# Altium PCB 宠物机器人&导购机器人.PcbDoc (part 11 of 14)
Units mil, origin at the board's own origin, x right, y up, seen from the top; angles counter-clockwise.
Board outline 6899.61 x 2204.72 mil, 2 copper layers (Top Layer, Bottom Layer); 229 components, 218 nets, 23463 pads, 263 vias.
Unrouted connection lines stored in the file: 107.
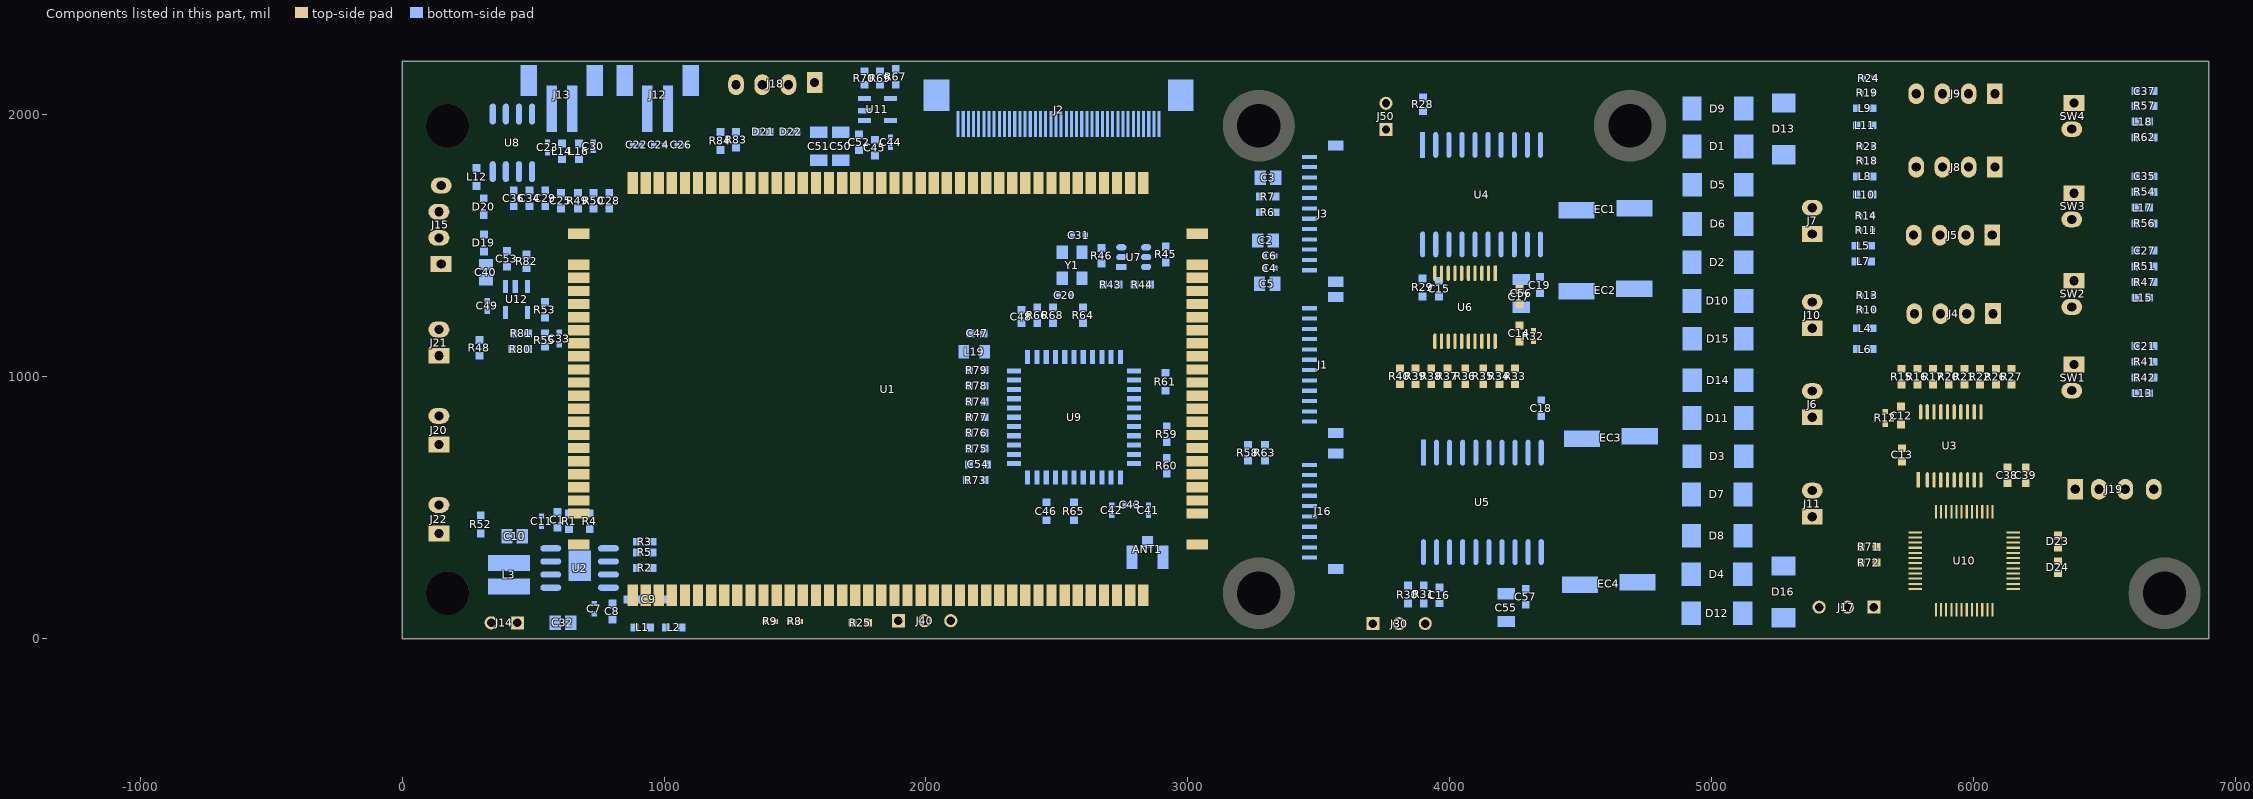
[diagram p11: the components of this part, seen from the top]

## Free pads (board coordinates) (continued)
  round 0.06 on Mech14: 1(-1218.32,-384.47) 1(-1218.32,-384.47) 1(-1218.32,-384.47) 1(-1218.32,-384.44) 1(-1218.32,-384.44) 1(-1218.32,-384.44) 1(-1218.32,-384.29) 1(-1218.32,-384.29) 1(-1218.32,-384.29) 1(-1218.32,-384.26) 1(-1218.32,-384.26) 1(-1218.32,-384.26) 1(-1218.18,-384.08) 1(-1218.18,-384.08) 1(-1218.18,-384.08) 1(-1218.18,-383.98) 1(-1218.18,-383.98) 1(-1218.18,-383.98) 1(-1218.18,-383.86) 1(-1218.18,-383.86) 1(-1218.18,-383.86) 1(-1218.18,-383.76) 1(-1218.18,-383.76) 1(-1218.18,-383.76)
  round 0.06 on Mech15: 1(-1218.32,-384.47) 1(-1218.32,-384.47) 1(-1218.32,-384.47) 1(-1218.32,-384.44) 1(-1218.32,-384.44) 1(-1218.32,-384.44) 1(-1218.32,-384.29) 1(-1218.32,-384.29) 1(-1218.32,-384.29) 1(-1218.32,-384.26) 1(-1218.32,-384.26) 1(-1218.32,-384.26) 1(-1218.18,-384.08) 1(-1218.18,-384.08) 1(-1218.18,-384.08) 1(-1218.18,-383.98) 1(-1218.18,-383.98) 1(-1218.18,-383.98) 1(-1218.18,-383.86) 1(-1218.18,-383.86) 1(-1218.18,-383.86) 1(-1218.18,-383.76) 1(-1218.18,-383.76) 1(-1218.18,-383.76)
  round 0.2 on Mech3: 1(-1218.3,-385.12) 1(-1218.3,-385.12) 1(-1218.3,-385.12) 1(-1218.3,-383.05) 1(-1218.3,-383.05) 1(-1218.3,-383.05) 1(-1215.51,-385.12) 1(-1215.51,-385.12) 1(-1215.51,-385.12) 1(-1215.51,-383.05) 1(-1215.51,-383.05) 1(-1215.51,-383.05)
  round 0.2 on Mech2: 1(-1218.3,-385.12) 1(-1218.3,-385.12) 1(-1218.3,-385.12) 1(-1218.3,-383.05) 1(-1218.3,-383.05) 1(-1218.3,-383.05) 1(-1215.51,-385.12) 1(-1215.51,-385.12) 1(-1215.51,-385.12) 1(-1215.51,-383.05) 1(-1215.51,-383.05) 1(-1215.51,-383.05)
  round 0.2 on Mech10: 1(-1218.3,-385.12) 1(-1218.3,-385.12) 1(-1218.3,-385.12) 1(-1218.3,-383.05) 1(-1218.3,-383.05) 1(-1218.3,-383.05) 1(-1215.51,-385.12) 1(-1215.51,-385.12) 1(-1215.51,-385.12) 1(-1215.51,-383.05) 1(-1215.51,-383.05) 1(-1215.51,-383.05)
  round 0.2 on Mech14: 1(-1218.3,-385.12) 1(-1218.3,-385.12) 1(-1218.3,-385.12) 1(-1218.3,-383.05) 1(-1218.3,-383.05) 1(-1218.3,-383.05) 1(-1215.51,-385.12) 1(-1215.51,-385.12) 1(-1215.51,-385.12) 1(-1215.51,-383.05) 1(-1215.51,-383.05) 1(-1215.51,-383.05)
  round 0.2 on Mech15: 1(-1218.3,-385.12) 1(-1218.3,-385.12) 1(-1218.3,-385.12) 1(-1218.3,-383.05) 1(-1218.3,-383.05) 1(-1218.3,-383.05) 1(-1215.51,-385.12) 1(-1215.51,-385.12) 1(-1215.51,-385.12) 1(-1215.51,-383.05) 1(-1215.51,-383.05) 1(-1215.51,-383.05)
  round 0 on Mech5: 1(-1218.27,-384.92) 1(-1218.27,-384.92) 1(-1218.27,-384.92) 1(-1218.27,-384.92) 1(-1218.27,-384.92) 1(-1218.27,-384.92) 1(-1218.27,-384.81) 1(-1218.27,-384.81) 1(-1218.27,-384.81) 1(-1218.27,-384.81) 1(-1218.27,-384.81) 1(-1218.27,-384.81) 1(-1218.25,-384.86) 1(-1218.25,-384.86) 1(-1218.25,-384.86) 1(-1218.23,-384.88) 1(-1218.23,-384.88) 1(-1218.23,-384.88) 1(-1218.23,-384.84) 1(-1218.23,-384.84) 1(-1218.23,-384.84) 1(-1218.21,-384.86) 1(-1218.21,-384.86) 1(-1218.21,-384.86) 1(-1218.2,-384.92) 1(-1218.2,-384.92) 1(-1218.2,-384.92) 1(-1218.2,-384.92) 1(-1218.2,-384.92) 1(-1218.2,-384.92) 1(-1218.2,-384.81) 1(-1218.2,-384.81) 1(-1218.2,-384.81) 1(-1218.2,-384.81) 1(-1218.2,-384.81) 1(-1218.2,-384.81) 1(-1218.14,-383.16) 1(-1218.14,-383.16) 1(-1218.14,-383.16) 1(-1218.13,-383.61) 1(-1218.13,-383.61) 1(-1218.13,-383.61) 1(-1218.12,-383.18) 1(-1218.12,-383.18) 1(-1218.12,-383.18) 1(-1218.12,-383.14) 1(-1218.12,-383.14) 1(-1218.12,-383.14) 1(-1218.11,-383.63) 1(-1218.11,-383.63) 1(-1218.11,-383.63) 1(-1218.11,-383.59) 1(-1218.11,-383.59) 1(-1218.11,-383.59) 1(-1218.1,-383.16) 1(-1218.1,-383.16) 1(-1218.1,-383.16) 1(-1218.09,-383.61) 1(-1218.09,-383.61) 1(-1218.09,-383.61) 1(-1218,-383.57) 1(-1218,-383.57) 1(-1218,-383.57) 1(-1217.98,-383.59) 1(-1217.98,-383.59) 1(-1217.98,-383.59) 1(-1217.98,-383.55) 1(-1217.98,-383.55) 1(-1217.98,-383.55) 1(-1217.96,-383.57) 1(-1217.96,-383.57) 1(-1217.96,-383.57) 1(-1217.95,-384.1) 1(-1217.95,-384.1) 1(-1217.95,-384.1) 1(-1217.95,-384.1) 1(-1217.95,-384.1) 1(-1217.95,-384.1) 1(-1217.95,-384.04) 1(-1217.95,-384.04) 1(-1217.95,-384.04) 1(-1217.95,-384.04) 1(-1217.95,-384.04) 1(-1217.95,-384.04) 1(-1217.91,-384.07) 1(-1217.91,-384.07) 1(-1217.91,-384.07) 1(-1217.89,-384.09) 1(-1217.89,-384.09) 1(-1217.89,-384.09) 1(-1217.89,-384.05) 1(-1217.89,-384.05) 1(-1217.89,-384.05) 1(-1217.87,-384.07) 1(-1217.87,-384.07) 1(-1217.87,-384.07) 1(-1217.84,-383.31) 1(-1217.84,-383.31) 1(-1217.84,-383.31) 1(-1217.84,-384.1) 1(-1217.84,-384.1) 1(-1217.84,-384.1) 1(-1217.84,-384.1) 1(-1217.84,-384.1) 1(-1217.84,-384.1) 1(-1217.84,-384.04) 1(-1217.84,-384.04) 1(-1217.84,-384.04) 1(-1217.84,-384.04) 1(-1217.84,-384.04) 1(-1217.84,-384.04) 1(-1217.82,-383.33) 1(-1217.82,-383.33) 1(-1217.82,-383.33) 1(-1217.82,-383.29) 1(-1217.82,-383.29) 1(-1217.82,-383.29) 1(-1217.8,-383.31) 1(-1217.8,-383.31) 1(-1217.8,-383.31) 1(-1216.25,-383.41) 1(-1216.25,-383.41) 1(-1216.25,-383.41) 1(-1216.25,-383.41) 1(-1216.25,-383.41) 1(-1216.25,-383.41) 1(-1216.25,-383.3) 1(-1216.25,-383.3) 1(-1216.25,-383.3) 1(-1216.25,-383.3) 1(-1216.25,-383.3) 1(-1216.25,-383.3) 1(-1216.24,-383.36) 1(-1216.24,-383.36) 1(-1216.24,-383.36) 1(-1216.22,-383.38) 1(-1216.22,-383.38) 1(-1216.22,-383.38) 1(-1216.22,-383.34) 1(-1216.22,-383.34) 1(-1216.22,-383.34) 1(-1216.2,-383.36) 1(-1216.2,-383.36) 1(-1216.2,-383.36) 1(-1216.19,-383.41) 1(-1216.19,-383.41) 1(-1216.19,-383.41) 1(-1216.19,-383.41) 1(-1216.19,-383.41) 1(-1216.19,-383.41) 1(-1216.19,-383.3) 1(-1216.19,-383.3) 1(-1216.19,-383.3) 1(-1216.19,-383.3) 1(-1216.19,-383.3) 1(-1216.19,-383.3) 1(-1216.18,-383.41) 1(-1216.18,-383.41) 1(-1216.18,-383.41) 1(-1216.18,-383.41) 1(-1216.18,-383.41) 1(-1216.18,-383.41) 1(-1216.18,-383.3) 1(-1216.18,-383.3) 1(-1216.18,-383.3) 1(-1216.18,-383.3) 1(-1216.18,-383.3) 1(-1216.18,-383.3) 1(-1216.17,-383.36) 1(-1216.17,-383.36) 1(-1216.17,-383.36) 1(-1216.15,-383.38) 1(-1216.15,-383.38) 1(-1216.15,-383.38) 1(-1216.15,-383.34) 1(-1216.15,-383.34) 1(-1216.15,-383.34) 1(-1216.13,-383.36) 1(-1216.13,-383.36) 1(-1216.13,-383.36) 1(-1216.12,-383.41) 1(-1216.12,-383.41) 1(-1216.12,-383.41) 1(-1216.12,-383.41) 1(-1216.12,-383.41) 1(-1216.12,-383.41) 1(-1216.12,-383.3) 1(-1216.12,-383.3) 1(-1216.12,-383.3) 1(-1216.12,-383.3) 1(-1216.12,-383.3) 1(-1216.12,-383.3) 1(-1215.57,-383.43) 1(-1215.57,-383.43) 1(-1215.57,-383.43) 1(-1215.57,-383.43) 1(-1215.57,-383.43) 1(-1215.57,-383.43) 1(-1215.57,-383.37) 1(-1215.57,-383.37) 1(-1215.57,-383.37) 1(-1215.57,-383.37) 1(-1215.57,-383.37) 1(-1215.57,-383.37) 1(-1215.56,-383.33) 1(-1215.56,-383.33) 1(-1215.56,-383.33) 1(-1215.54,-383.35) 1(-1215.54,-383.35) 1(-1215.54,-383.35) 1(-1215.54,-383.31) 1(-1215.54,-383.31) 1(-1215.54,-383.31) 1(-1215.54,-383.4) 1(-1215.54,-383.4) 1(-1215.54,-383.4) 1(-1215.52,-383.33) 1(-1215.52,-383.33) 1(-1215.52,-383.33) 1(-1215.52,-383.42) 1(-1215.52,-383.42) 1(-1215.52,-383.42) 1(-1215.52,-383.38) 1(-1215.52,-383.38) 1(-1215.52,-383.38) 1(-1215.5,-383.4) 1(-1215.5,-383.4) 1(-1215.5,-383.4) 1(-1215.46,-383.43) 1(-1215.46,-383.43) 1(-1215.46,-383.43) 1(-1215.46,-383.43) 1(-1215.46,-383.43) 1(-1215.46,-383.43) 1(-1215.46,-383.37) 1(-1215.46,-383.37) 1(-1215.46,-383.37) 1(-1215.46,-383.37) 1(-1215.46,-383.37) 1(-1215.46,-383.37)
  round 0 on Mech4: 1(-1218.26,-384.91) 1(-1218.26,-384.91) 1(-1218.26,-384.91) 1(-1218.26,-384.91) 1(-1218.26,-384.91) 1(-1218.26,-384.91) 1(-1218.26,-384.82) 1(-1218.26,-384.82) 1(-1218.26,-384.82) 1(-1218.26,-384.82) 1(-1218.26,-384.82) 1(-1218.26,-384.82) 1(-1218.21,-384.91) 1(-1218.21,-384.91) 1(-1218.21,-384.91) 1(-1218.21,-384.91) 1(-1218.21,-384.91) 1(-1218.21,-384.91) 1(-1218.21,-384.82) 1(-1218.21,-384.82) 1(-1218.21,-384.82) 1(-1218.21,-384.82) 1(-1218.21,-384.82) 1(-1218.21,-384.82) 1(-1218.16,-383.23) 1(-1218.16,-383.23) 1(-1218.16,-383.23) 1(-1218.16,-383.23) 1(-1218.16,-383.23) 1(-1218.16,-383.23) 1(-1218.16,-383.1) 1(-1218.16,-383.1) 1(-1218.16,-383.1) 1(-1218.16,-383.1) 1(-1218.16,-383.1) 1(-1218.16,-383.1) 1(-1218.14,-383.68) 1(-1218.14,-383.68) 1(-1218.14,-383.68) 1(-1218.14,-383.68) 1(-1218.14,-383.68) 1(-1218.14,-383.68) 1(-1218.14,-383.55) 1(-1218.14,-383.55) 1(-1218.14,-383.55) 1(-1218.14,-383.55) 1(-1218.14,-383.55) 1(-1218.14,-383.55) 1(-1218.09,-383.23) 1(-1218.09,-383.23) 1(-1218.09,-383.23) 1(-1218.09,-383.23) 1(-1218.09,-383.23) 1(-1218.09,-383.23) 1(-1218.09,-383.1) 1(-1218.09,-383.1) 1(-1218.09,-383.1) 1(-1218.09,-383.1) 1(-1218.09,-383.1) 1(-1218.09,-383.1) 1(-1218.07,-383.68) 1(-1218.07,-383.68) 1(-1218.07,-383.68) 1(-1218.07,-383.68) 1(-1218.07,-383.68) 1(-1218.07,-383.68) 1(-1218.07,-383.55) 1(-1218.07,-383.55) 1(-1218.07,-383.55) 1(-1218.07,-383.55) 1(-1218.07,-383.55) 1(-1218.07,-383.55) 1(-1218.05,-383.61) 1(-1218.05,-383.61) 1(-1218.05,-383.61) 1(-1218.05,-383.61) 1(-1218.05,-383.61) 1(-1218.05,-383.61) 1(-1218.05,-383.54) 1(-1218.05,-383.54) 1(-1218.05,-383.54) 1(-1218.05,-383.54) 1(-1218.05,-383.54) 1(-1218.05,-383.54) 1(-1217.93,-384.1) 1(-1217.93,-384.1) 1(-1217.93,-384.1) 1(-1217.93,-384.1) 1(-1217.93,-384.1) 1(-1217.93,-384.1) 1(-1217.93,-384.04) 1(-1217.93,-384.04) 1(-1217.93,-384.04) 1(-1217.93,-384.04) 1(-1217.93,-384.04) 1(-1217.93,-384.04) 1(-1217.92,-383.61) 1(-1217.92,-383.61) 1(-1217.92,-383.61) 1(-1217.92,-383.61) 1(-1217.92,-383.61) 1(-1217.92,-383.61) 1(-1217.92,-383.54) 1(-1217.92,-383.54) 1(-1217.92,-383.54) 1(-1217.92,-383.54) 1(-1217.92,-383.54) 1(-1217.92,-383.54) 1(-1217.86,-383.38) 1(-1217.86,-383.38) 1(-1217.86,-383.38) 1(-1217.86,-383.38) 1(-1217.86,-383.38) 1(-1217.86,-383.38) 1(-1217.86,-383.24) 1(-1217.86,-383.24) 1(-1217.86,-383.24) 1(-1217.86,-383.24) 1(-1217.86,-383.24) 1(-1217.86,-383.24) 1(-1217.85,-384.1) 1(-1217.85,-384.1) 1(-1217.85,-384.1) 1(-1217.85,-384.1) 1(-1217.85,-384.1) 1(-1217.85,-384.1) 1(-1217.85,-384.04) 1(-1217.85,-384.04) 1(-1217.85,-384.04) 1(-1217.85,-384.04) 1(-1217.85,-384.04) 1(-1217.85,-384.04) 1(-1217.79,-383.38) 1(-1217.79,-383.38) 1(-1217.79,-383.38) 1(-1217.79,-383.38) 1(-1217.79,-383.38) 1(-1217.79,-383.38) 1(-1217.79,-383.24) 1(-1217.79,-383.24) 1(-1217.79,-383.24) 1(-1217.79,-383.24) 1(-1217.79,-383.24) 1(-1217.79,-383.24) 1(-1216.25,-383.4) 1(-1216.25,-383.4) 1(-1216.25,-383.4) 1(-1216.25,-383.4) 1(-1216.25,-383.4) 1(-1216.25,-383.4) 1(-1216.25,-383.31) 1(-1216.25,-383.31) 1(-1216.25,-383.31) 1(-1216.25,-383.31) 1(-1216.25,-383.31) 1(-1216.25,-383.31) 1(-1216.19,-383.4) 1(-1216.19,-383.4) 1(-1216.19,-383.4) 1(-1216.19,-383.4) 1(-1216.19,-383.4) 1(-1216.19,-383.4) 1(-1216.19,-383.31) 1(-1216.19,-383.31) 1(-1216.19,-383.31) 1(-1216.19,-383.31) 1(-1216.19,-383.31) 1(-1216.19,-383.31) 1(-1216.18,-383.4) 1(-1216.18,-383.4) 1(-1216.18,-383.4) 1(-1216.18,-383.4) 1(-1216.18,-383.4) 1(-1216.18,-383.4) 1(-1216.18,-383.31) 1(-1216.18,-383.31) 1(-1216.18,-383.31) 1(-1216.18,-383.31) 1(-1216.18,-383.31) 1(-1216.18,-383.31) 1(-1216.12,-383.4) 1(-1216.12,-383.4) 1(-1216.12,-383.4) 1(-1216.12,-383.4) 1(-1216.12,-383.4) 1(-1216.12,-383.4) 1(-1216.12,-383.31) 1(-1216.12,-383.31) 1(-1216.12,-383.31) 1(-1216.12,-383.31) 1(-1216.12,-383.31) 1(-1216.12,-383.31) 1(-1215.61,-383.36) 1(-1215.61,-383.36) 1(-1215.61,-383.36) 1(-1215.61,-383.36) 1(-1215.61,-383.36) 1(-1215.61,-383.36) 1(-1215.61,-383.29) 1(-1215.61,-383.29) 1(-1215.61,-383.29) 1(-1215.61,-383.29) 1(-1215.61,-383.29) 1(-1215.61,-383.29) 1(-1215.56,-383.43) 1(-1215.56,-383.43) 1(-1215.56,-383.43) 1(-1215.56,-383.43) 1(-1215.56,-383.43) 1(-1215.56,-383.43) 1(-1215.56,-383.37) 1(-1215.56,-383.37) 1(-1215.56,-383.37) 1(-1215.56,-383.37) 1(-1215.56,-383.37) 1(-1215.56,-383.37) 1(-1215.48,-383.36) 1(-1215.48,-383.36) 1(-1215.48,-383.36) 1(-1215.48,-383.36) 1(-1215.48,-383.36) 1(-1215.48,-383.36) 1(-1215.48,-383.29) 1(-1215.48,-383.29) 1(-1215.48,-383.29) 1(-1215.48,-383.29) 1(-1215.48,-383.29) 1(-1215.48,-383.29) 1(-1215.48,-383.43) 1(-1215.48,-383.43) 1(-1215.48,-383.43) 1(-1215.48,-383.43) 1(-1215.48,-383.43) 1(-1215.48,-383.43) 1(-1215.48,-383.37) 1(-1215.48,-383.37) 1(-1215.48,-383.37) 1(-1215.48,-383.37) 1(-1215.48,-383.37) 1(-1215.48,-383.37)
  round 0.03 on Mech14: 1(-1218.26,-383.57) 1(-1218.26,-383.57) 1(-1218.26,-383.57) 1(-1218.26,-383.41) 1(-1218.26,-383.41) 1(-1218.26,-383.41) 1(-1215.88,-383.11) 1(-1215.88,-383.11) 1(-1215.88,-383.11) 1(-1215.72,-383.11) 1(-1215.72,-383.11) 1(-1215.72,-383.11)
  round 0.03 on Mech15: 1(-1218.26,-383.57) 1(-1218.26,-383.57) 1(-1218.26,-383.57) 1(-1218.26,-383.41) 1(-1218.26,-383.41) 1(-1218.26,-383.41) 1(-1218.04,-383.37) 1(-1218.04,-383.37) 1(-1218.04,-383.37) 1(-1218.04,-383.31) 1(-1218.04,-383.31) 1(-1218.04,-383.31) 1(-1218.04,-383.15) 1(-1218.04,-383.15) 1(-1218.04,-383.15) 1(-1218.04,-383.09) 1(-1218.04,-383.09) 1(-1218.04,-383.09) 1(-1217.99,-383.37) 1(-1217.99,-383.37) 1(-1217.99,-383.37) 1(-1217.99,-383.31) 1(-1217.99,-383.31) 1(-1217.99,-383.31) 1(-1217.99,-383.15) 1(-1217.99,-383.15) 1(-1217.99,-383.15) 1(-1217.99,-383.09) 1(-1217.99,-383.09) 1(-1217.99,-383.09) 1(-1217.94,-383.37) 1(-1217.94,-383.37) 1(-1217.94,-383.37) 1(-1217.94,-383.31) 1(-1217.94,-383.31) 1(-1217.94,-383.31) 1(-1217.94,-383.15) 1(-1217.94,-383.15) 1(-1217.94,-383.15) 1(-1217.94,-383.09) 1(-1217.94,-383.09) 1(-1217.94,-383.09) 1(-1217.89,-383.37) 1(-1217.89,-383.37) 1(-1217.89,-383.37) 1(-1217.89,-383.31) 1(-1217.89,-383.31) 1(-1217.89,-383.31) 1(-1217.89,-383.15) 1(-1217.89,-383.15) 1(-1217.89,-383.15) 1(-1217.89,-383.09) 1(-1217.89,-383.09) 1(-1217.89,-383.09) 1(-1216.04,-384.21) 1(-1216.04,-384.21) 1(-1216.04,-384.21) 1(-1216.04,-384.19) 1(-1216.04,-384.19) 1(-1216.04,-384.19) 1(-1216,-384.21) 1(-1216,-384.21) 1(-1216,-384.21) 1(-1216,-384.19) 1(-1216,-384.19) 1(-1216,-384.19) 1(-1216,-384.11) 1(-1216,-384.11) 1(-1216,-384.11) 1(-1216,-384.1) 1(-1216,-384.1) 1(-1216,-384.1) 1(-1215.96,-384.21) 1(-1215.96,-384.21) 1(-1215.96,-384.21) 1(-1215.96,-384.19) 1(-1215.96,-384.19) 1(-1215.96,-384.19) 1(-1215.96,-384.11) 1(-1215.96,-384.11) 1(-1215.96,-384.11) 1(-1215.96,-384.1) 1(-1215.96,-384.1) 1(-1215.96,-384.1) 1(-1215.88,-383.11) 1(-1215.88,-383.11) 1(-1215.88,-383.11) 1(-1215.72,-383.11) 1(-1215.72,-383.11) 1(-1215.72,-383.11)
  round 0.02 on Mech16: 1(-1218.26,-383.57) 1(-1218.26,-383.57) 1(-1218.26,-383.57) 1(-1218.26,-383.41) 1(-1218.26,-383.41) 1(-1218.26,-383.41) 1(-1218.23,-384.74) 1(-1218.23,-384.74) 1(-1218.23,-384.74) 1(-1218.23,-384.69) 1(-1218.23,-384.69) 1(-1218.23,-384.69) 1(-1215.88,-383.11) 1(-1215.88,-383.11) 1(-1215.88,-383.11) 1(-1215.72,-383.11) 1(-1215.72,-383.11) 1(-1215.72,-383.11)
  round 0.08 on Mech3: 1(-1218.22,-384.52) 1(-1218.22,-384.52) 1(-1218.22,-384.52) 1(-1218.22,-384.5) 1(-1218.22,-384.5) 1(-1218.22,-384.5) 1(-1218.22,-384.23) 1(-1218.22,-384.23) 1(-1218.22,-384.23) 1(-1218.22,-384.21) 1(-1218.22,-384.21) 1(-1218.22,-384.21)
  round 0.08 on Mech2: 1(-1218.22,-384.52) 1(-1218.22,-384.52) 1(-1218.22,-384.52) 1(-1218.22,-384.5) 1(-1218.22,-384.5) 1(-1218.22,-384.5) 1(-1218.22,-384.23) 1(-1218.22,-384.23) 1(-1218.22,-384.23) 1(-1218.22,-384.21) 1(-1218.22,-384.21) 1(-1218.22,-384.21)
  round 0.08 on Mech10: 1(-1218.22,-384.52) 1(-1218.22,-384.52) 1(-1218.22,-384.52) 1(-1218.22,-384.5) 1(-1218.22,-384.5) 1(-1218.22,-384.5) 1(-1218.22,-384.23) 1(-1218.22,-384.23) 1(-1218.22,-384.23) 1(-1218.22,-384.21) 1(-1218.22,-384.21) 1(-1218.22,-384.21)
  round 0.09 on Mech14: 1(-1218.22,-384.52) 1(-1218.22,-384.52) 1(-1218.22,-384.52) 1(-1218.22,-384.5) 1(-1218.22,-384.5) 1(-1218.22,-384.5) 1(-1218.22,-384.23) 1(-1218.22,-384.23) 1(-1218.22,-384.23) 1(-1218.22,-384.21) 1(-1218.22,-384.21) 1(-1218.22,-384.21)
  round 0.09 on Mech15: 1(-1218.22,-384.52) 1(-1218.22,-384.52) 1(-1218.22,-384.52) 1(-1218.22,-384.5) 1(-1218.22,-384.5) 1(-1218.22,-384.5) 1(-1218.22,-384.23) 1(-1218.22,-384.23) 1(-1218.22,-384.23) 1(-1218.22,-384.21) 1(-1218.22,-384.21) 1(-1218.22,-384.21)
  round 0.05 on Mech3: 1(-1218.18,-384.08) 1(-1218.18,-384.08) 1(-1218.18,-384.08) 1(-1218.18,-383.98) 1(-1218.18,-383.98) 1(-1218.18,-383.98) 1(-1218.18,-383.86) 1(-1218.18,-383.86) 1(-1218.18,-383.86) 1(-1218.18,-383.76) 1(-1218.18,-383.76) 1(-1218.18,-383.76)